# Altium PCB 28 pin project.PcbDoc (part 1 of 2) (continued)
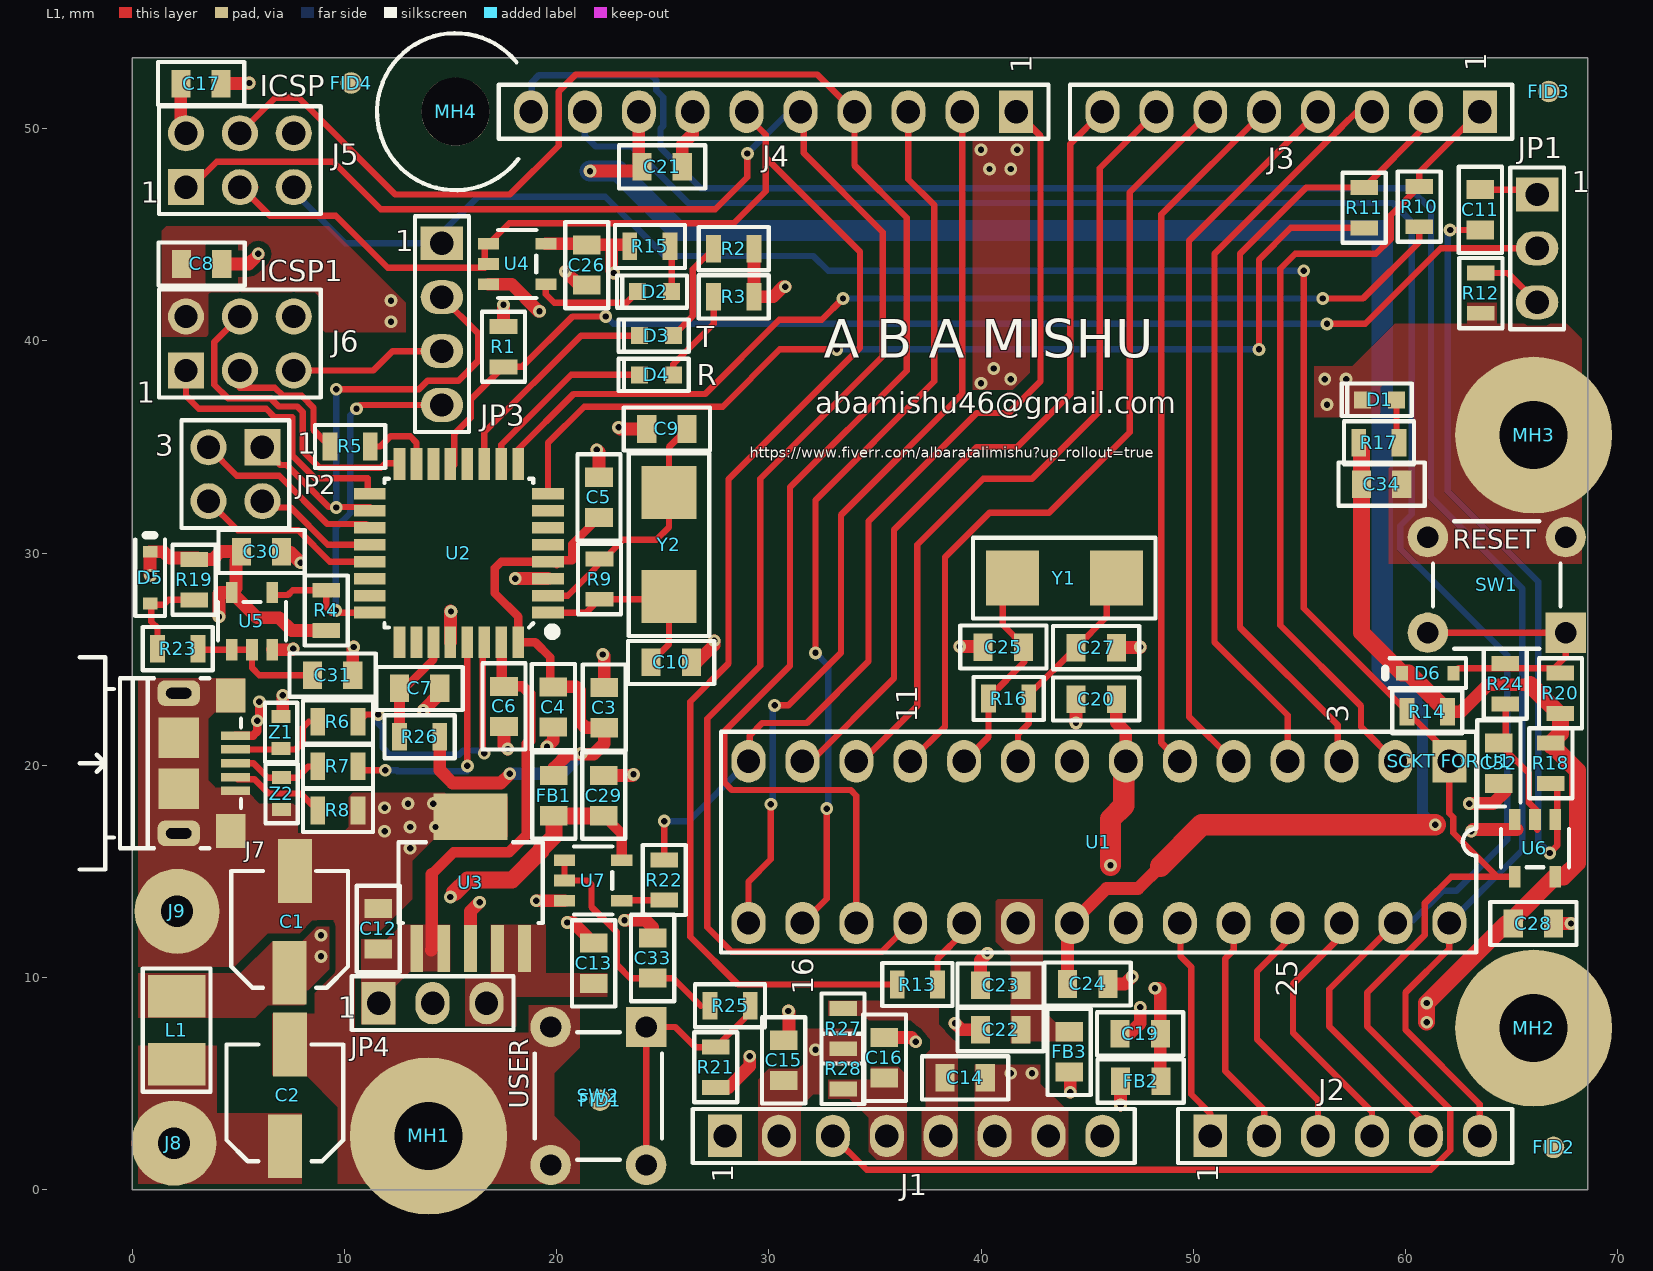
[diagram p0: L1 view]
## Part data (continued)
J5 J6: library part 67997-106HLF, Manufacturer="Amphenol ICC / FCI", Supplier Part Number 1=609-3393-ND, ComponentLink1Description=http://www.farnell.com/datasheets/1876884.pdf?src-supplier=Newark, ComponentLink1URL=http://www.farnell.com/datasheets/1876884.pdf?src-supplier=Newark, ComponentLink2Description=http://www.farnell.com/datasheets/1876884.pdf?src-supplier=Farnell, ComponentLink2URL=http://www.farnell.com/datasheets/1876884.pdf?src-supplier=Farnell, ComponentLink3Description=https://cdn.amphenol-icc.com/media/wysiwyg/files/drawing/67996.pdf?src-supplier=Digi-Key, ComponentLink3URL=https://cdn.amphenol-icc.com/media/wysiwyg/files/drawing/67996.pdf?src-supplier=Digi-Key, ComponentLink4Description=https://cdn.amphenol-icc.com/media/wysiwyg/files/drawing/67996.pdf?src-supplier=Mouser, ComponentLink4URL=https://cdn.amphenol-icc.com/media/wysiwyg/files/drawing/67996.pdf?src-supplier=Mouser, ComponentLink5Description=https://cdn.amphenol-icc.com/media/wysiwyg/files/drawing/67996.pdf?src-supplier=Avnet, ComponentLink5URL=https://cdn.amphenol-icc.com/media/wysiwyg/files/drawing/67996.pdf?src-supplier=Avnet, ComponentLink6Description=http://components.arrow.com/part/dataview/41913658S7633350N8314?src-supplier=Arrow+Electronics, ComponentLink6URL=http://components.arrow.com/part/dataview/41913658S7633350N8314?src-supplier=Arrow+Electronics, ComponentLink7Description=http://components.arrow.com/part/dataview/0323_00898189?src-supplier=Arrow+Europe, ComponentLink7URL=http://components.arrow.com/part/dataview/0323_00898189?src-supplier=Arrow+Europe, ComponentLink8Description=https://cdn.amphenol-icc.com/media/wysiwyg/files/drawing/67996.pdf?src-supplier=Onlinecomponents.com, ComponentLink8URL=https://cdn.amphenol-icc.com/media/wysiwyg/files/drawing/67996.pdf?src-supplier=Onlinecomponents.com, ComponentLink9Description=https://cdn.amphenol-icc.com/media/wysiwyg/files/drawing/67996.pdf?src-supplier=Avnet+Europe, ComponentLink9URL=https://cdn.amphenol-icc.com/media/wysiwyg/files/drawing/67996.pdf?src-supplier=Avnet+Europe, ComponentLink10Description=https://cdn.amphenol-icc.com/media/wysiwyg/files/drawing/67996.pdf?src-supplier=Avnet+Asia, ComponentLink10URL=https://cdn.amphenol-icc.com/media/wysiwyg/files/drawing/67996.pdf?src-supplier=Avnet+Asia, ComponentLink11Description=https://cdn.amphenol-icc.com/media/wysiwyg/files/drawing/67996.pdf?src-supplier=Allied+Electronics, ComponentLink11URL=https://cdn.amphenol-icc.com/media/wysiwyg/files/drawing/67996.pdf?src-supplier=Allied+Electronics, ComponentLink12Description=http://uk.rs-online.com/webdocs/1450/0900766b81450b8b.pdf?src-supplier=RSComponents, ComponentLink12URL=http://uk.rs-online.com/webdocs/1450/0900766b81450b8b.pdf?src-supplier=RSComponents, ComponentLink13Description=https://cdn.amphenol-icc.com/media/wysiwyg/files/drawing/67996.pdf?src-supplier=TTI, ComponentLink13URL=https://cdn.amphenol-icc.com/media/wysiwyg/files/drawing/67996.pdf?src-supplier=TTI, ComponentLink14Description=https://cdn.amphenol-icc.com/media/wysiwyg/files/drawing/67996.pdf?src-supplier=Interstate+Connecting+Components, ComponentLink14URL=https://cdn.amphenol-icc.com/media/wysiwyg/files/drawing/67996.pdf?src-supplier=Interstate+Connecting+Components, ComponentLink15Description=https://cdn.amphenol-icc.com/media/wysiwyg/files/drawing/67996.pdf?src-supplier=Heilind+Electronics, ComponentLink15URL=https://cdn.amphenol-icc.com/media/wysiwyg/files/drawing/67996.pdf?src-supplier=Heilind+Electronics, Manufacturer Part Number=67997-106HLF, Pricing 1="1=1.89, 10=1.712, 100=1.4675, 500=1.2229, 1000=1.0482, 5000=0.9294, 10000=0.9085 (USD)", Stock 1=1169, Supplier 1=Digi-Key
J7: Manufacturer="Amphenol ICC / FCI", Supplier Part Number 1=609-4616-2-ND, ComponentLink1Description=https://cdn.amphenol-icc.com/media/wysiwyg/files/documentation/datasheet/inputoutput/io_usb_micro.pdf?src-supplier=Avnet, ComponentLink1URL=https://cdn.amphenol-icc.com/media/wysiwyg/files/documentation/datasheet/inputoutput/io_usb_micro.pdf?src-supplier=Avnet, ComponentLink2Description=https://cdn.amphenol-icc.com/media/wysiwyg/files/documentation/datasheet/inputoutput/io_usb_micro.pdf?src-supplier=Arrow+Electronics, ComponentLink2URL=https://cdn.amphenol-icc.com/media/wysiwyg/files/documentation/datasheet/inputoutput/io_usb_micro.pdf?src-supplier=Arrow+Electronics, ComponentLink3Description=http://components.arrow.com/part/dataview/0323_04107372?src-supplier=Arrow+Europe, ComponentLink3URL=http://components.arrow.com/part/dataview/0323_04107372?src-supplier=Arrow+Europe, ComponentLink4Description=https://cdn.amphenol-icc.com/media/wysiwyg/files/documentation/datasheet/inputoutput/io_usb_micro.pdf?src-supplier=Onlinecomponents.com, ComponentLink4URL=https://cdn.amphenol-icc.com/media/wysiwyg/files/documentation/datasheet/inputoutput/io_usb_micro.pdf?src-supplier=Onlinecomponents.com, ComponentLink5Description=https://cdn.amphenol-icc.com/media/wysiwyg/files/documentation/datasheet/inputoutput/io_usb_micro.pdf?src-supplier=Verical, ComponentLink5URL=https://cdn.amphenol-icc.com/media/wysiwyg/files/documentation/datasheet/inputoutput/io_usb_micro.pdf?src-supplier=Verical, ComponentLink6Description=http://www.amphenol-icc.com/media/wysiwyg/files/drawing/10118193.pdf?src-supplier=Digi-Key, ComponentLink6URL=http://www.amphenol-icc.com/media/wysiwyg/files/drawing/10118193.pdf?src-supplier=Digi-Key, ComponentLink7Description=https://cdn.amphenol-icc.com/media/wysiwyg/files/documentation/datasheet/inputoutput/io_usb_micro.pdf?src-supplier=Digi-Key, ComponentLink7URL=https://cdn.amphenol-icc.com/media/wysiwyg/files/documentation/datasheet/inputoutput/io_usb_micro.pdf?src-supplier=Digi-Key, ComponentLink8Description=https://cdn.amphenol-icc.com/media/wysiwyg/files/documentation/datasheet/inputoutput/io_usb_micro.pdf?src-supplier=Mouser, ComponentLink8URL=https://cdn.amphenol-icc.com/media/wysiwyg/files/documentation/datasheet/inputoutput/io_usb_micro.pdf?src-supplier=Mouser, ComponentLink9Description=https://cdn.amphenol-icc.com/media/wysiwyg/files/documentation/datasheet/inputoutput/io_usb_micro.pdf?src-supplier=Allied+Electronics, ComponentLink9URL=https://cdn.amphenol-icc.com/media/wysiwyg/files/documentation/datasheet/inputoutput/io_usb_micro.pdf?src-supplier=Allied+Electronics, ComponentLink10Description=http://uk.rs-online.com/webdocs/1450/0900766b814507f1.pdf?src-supplier=RSComponents, ComponentLink10URL=http://uk.rs-online.com/webdocs/1450/0900766b814507f1.pdf?src-supplier=RSComponents, ComponentLink11Description=https://cdn.amphenol-icc.com/media/wysiwyg/files/documentation/datasheet/inputoutput/io_usb_micro.pdf?src-supplier=RSComponents, ComponentLink11URL=https://cdn.amphenol-icc.com/media/wysiwyg/files/documentation/datasheet/inputoutput/io_usb_micro.pdf?src-supplier=RSComponents, ComponentLink12Description=https://cdn.amphenol-icc.com/media/wysiwyg/files/documentation/datasheet/inputoutput/io_usb_micro.pdf?src-supplier=TTI, ComponentLink12URL=https://cdn.amphenol-icc.com/media/wysiwyg/files/documentation/datasheet/inputoutput/io_usb_micro.pdf?src-supplier=TTI, ComponentLink13Description=https://cdn.amphenol-icc.com/media/wysiwyg/files/documentation/datasheet/inputoutput/io_usb_micro.pdf?src-supplier=TME, ComponentLink13URL=https://cdn.amphenol-icc.com/media/wysiwyg/files/documentation/datasheet/inputoutput/io_usb_micro.pdf?src-supplier=TME, ComponentLink14Description=https://cdn.amphenol-icc.com/media/wysiwyg/files/documentation/datasheet/inputoutput/io_usb_micro.pdf?src-supplier=Heilind+Electronics, ComponentLink14URL=https://cdn.amphenol-icc.com/media/wysiwyg/files/documentation/datasheet/inputoutput/io_usb_micro.pdf?src-supplier=Heilind+Electronics, Manufacturer Part Number=10118193-0001LF, Pricing 1="1200=0.2256, 2400=0.2051, 6000=0.1983, 8400=0.1846, 12000=0.1819, 30000=0.1778 (USD)", Stock 1=75600, Supplier 1=Digi-Key
J8 J9: library part PAD_WITH_HOLE_4MMx1.5MM, "Pad with a hole 4MMx1.5MM"
JP1 JP4: library part 68000-103HLF, "AMPHENOL ICC - 68000-103HLF - Board-To-Board Connector, 2.54 mm, 3 Contacts, Header, FCI BergStik II 68000 Series, Through Hole", Manufacturer="Amphenol ICC", Supplier Part Number 1=609-3461-ND, Manufacturer Part Number=68000-103HLF, Pricing 1="1=0.31, 10=0.296, 100=0.2069, 500=0.1773, 1000=0.1478, 5000=0.1267, 10000=0.1182 (USD)", RoHS Compliant=Yes, Stock 1=79043, Supplier 1=Digi-Key
JP2: library part 68602-204HLF, Manufacturer="Amphenol ICC / FCI", Supplier Part Number 1=609-3369-ND, Manufacturer Part Number=68602-204HLF, Pricing 1="1=0.35, 10=0.335, 100=0.2345, 500=0.201 (USD)", Stock 1=578, Supplier 1=Digi-Key
JP3: library part 68001-204HLF, Manufacturer="Amphenol ICC / FCI", Supplier Part Number 1=609-3402-ND, ComponentLink1Description=https://cdn.amphenol-icc.com/media/wysiwyg/files/drawing/68000.pdf?src-supplier=Digi-Key, ComponentLink1URL=https://cdn.amphenol-icc.com/media/wysiwyg/files/drawing/68000.pdf?src-supplier=Digi-Key, ComponentLink2Description=https://cdn.amphenol-icc.com/media/wysiwyg/files/drawing/68000.pdf?src-supplier=Mouser, ComponentLink2URL=https://cdn.amphenol-icc.com/media/wysiwyg/files/drawing/68000.pdf?src-supplier=Mouser, ComponentLink3Description=https://cdn.amphenol-icc.com/media/wysiwyg/files/drawing/68000.pdf?src-supplier=Avnet, ComponentLink3URL=https://cdn.amphenol-icc.com/media/wysiwyg/files/drawing/68000.pdf?src-supplier=Avnet, ComponentLink4Description=http://components.arrow.com/part/dataview/42735081S8853857N8314?src-supplier=Arrow+Electronics, ComponentLink4URL=http://components.arrow.com/part/dataview/42735081S8853857N8314?src-supplier=Arrow+Electronics, ComponentLink5Description=https://cdn.amphenol-icc.com/media/wysiwyg/files/drawing/68000.pdf?src-supplier=Avnet+Europe, ComponentLink5URL=https://cdn.amphenol-icc.com/media/wysiwyg/files/drawing/68000.pdf?src-supplier=Avnet+Europe, ComponentLink6Description=https://cdn.amphenol-icc.com/media/wysiwyg/files/drawing/68000.pdf?src-supplier=Allied+Electronics, ComponentLink6URL=https://cdn.amphenol-icc.com/media/wysiwyg/files/drawing/68000.pdf?src-supplier=Allied+Electronics, ComponentLink7Description=http://uk.rs-online.com/webdocs/1450/0900766b81450c68.pdf?src-supplier=RSComponents, ComponentLink7URL=http://uk.rs-online.com/webdocs/1450/0900766b81450c68.pdf?src-supplier=RSComponents, ComponentLink8Description=https://cdn.amphenol-icc.com/media/wysiwyg/files/drawing/68000.pdf?src-supplier=TTI, ComponentLink8URL=https://cdn.amphenol-icc.com/media/wysiwyg/files/drawing/68000.pdf?src-supplier=TTI, ComponentLink9Description=https://cdn.amphenol-icc.com/media/wysiwyg/files/drawing/68000.pdf?src-supplier=Heilind+Electronics, ComponentLink9URL=https://cdn.amphenol-icc.com/media/wysiwyg/files/drawing/68000.pdf?src-supplier=Heilind+Electronics, Manufacturer Part Number=68001-204HLF, Pricing 1="1=0.4, 10=0.379, 100=0.2653, 500=0.2274, 1000=0.1895, 5000=0.1624, 10000=0.1516 (USD)", Stock 1=1837, Supplier 1=Digi-Key
L1: library part L1210R2R2MDWIT, "FIXED IND 2.2UH 2A 80 MOHM SMD", Case/Package=1210, Case Code (Metric)=3225, Current Rating=2A, DC Current=1.13A, DC Resistance (DCR)=80mR, Inductance=2.2uH, Inductance Tolerance=20%, Manufacturer=KEMET, Max Operating Temperature=105°C, Min Operating Temperature=-40°C, Package Quantity=1000, Resistor Type=Wirewound,Ceramic, Self Resonant Frequency=190MHz, Supplier Part Number 1=399-9598-6-ND, Test Frequency=100kHz, Case Code (Imperial)=1210, ComponentLink1Description=http://www.farnell.com/datasheets/27262.pdf?src-supplier=Element14, ComponentLink1URL=http://www.farnell.com/datasheets/27262.pdf?src-supplier=Element14, ComponentLink2Description=https://api.kemet.com/component-edge/download/datasheet/L1210R2R2MDWIT.pdf?src-supplier=Digi-Key, ComponentLink2URL=https://api.kemet.com/component-edge/download/datasheet/L1210R2R2MDWIT.pdf?src-supplier=Digi-Key, ComponentLink3Description=https://content.kemet.com/datasheets/F3115.pdf?src-supplier=Mouser, ComponentLink3URL=https://content.kemet.com/datasheets/F3115.pdf?src-supplier=Mouser, ComponentLink4Description=http://www.kemet.com/Lists/ProductCatalog/Attachments/57/F3115.pdf?src-supplier=Avnet, ComponentLink4URL=http://www.kemet.com/Lists/ProductCatalog/Attachments/57/F3115.pdf?src-supplier=Avnet, ComponentLink5Description=https://content.kemet.com/datasheets/F3115.pdf?src-supplier=Avnet+Europe, ComponentLink5URL=https://content.kemet.com/datasheets/F3115.pdf?src-supplier=Avnet+Europe, Core Material=Ferrite, Depth=2.7mm, Height=2.5mm, Height - Seated (Max)=0.106inch, Length=0.126inch, Manufacturer Part Number=L1210R2R2MDWIT, Max DC Current=2A, Military Standard=Not, Mount="Surface Mount", Packaging="Tape and Reel", Pricing 1="1=0.5, 10=0.437, 25=0.406, 50=0.3436, 100=0.3124, 250=0.2936, 500=0.2624 (USD)", Radiation Hardening=No, REACH SVHC="No SVHC", RoHS Compliant=Yes, Series=L-DWI, Shielding=Unshielded, Stock 1=10603, Supplier 1=Digi-Key, Termination=SMD/SMT, Tolerance=20%, Width=0.098inch
MH1 MH2 MH3: "Mounting hole 7.4mm Diameter,3.2mm drill"
MH4: "Mounting Hole 7.4mm Diameter (non copper) ,3.2mm drill NPTH"
R1: library part RC0805FR-07100KL, "YAGEO         RC0805FR-07100KL            RES, THICK FILM, 100K, 1%, 0.125W, 0805, REEL", Case/Package=0805, Case Code (Metric)=2012, Manufacturer=Yageo, Max Operating Temperature=155°C, Max Power Dissipation=125mW, Min Operating Temperature=-55°C, Package Quantity=1, Resistance=100kR, Resistance Tolerance=1%, Resistor Type="Thick Film", Supplier Part Number 1=311-100KCRTR-ND, Temperature Coefficient=100ppm/°C, Voltage Rating=150V, Case Code (Imperial)=0805, ComponentLink1Description=http://www.farnell.com/datasheets/1686128.pdf?src-supplier=Element14, ComponentLink1URL=http://www.farnell.com/datasheets/1686128.pdf?src-supplier=Element14, ComponentLink2Description=http://www.farnell.com/datasheets/38627.pdf?src-supplier=Element14, ComponentLink2URL=http://www.farnell.com/datasheets/38627.pdf?src-supplier=Element14, ComponentLink3Description=http://www.farnell.com/datasheets/444164.pdf?src-supplier=Element14, ComponentLink3URL=http://www.farnell.com/datasheets/444164.pdf?src-supplier=Element14, ComponentLink4Description=http://www.yageo.com/documents/recent/PYu-RC_Group_51_RoHS_L_10.pdf?src-supplier=Digi-Key, ComponentLink4URL=http://www.yageo.com/documents/recent/PYu-RC_Group_51_RoHS_L_10.pdf?src-supplier=Digi-Key, ComponentLink5Description=http://www.yageo.com/documents/recent/PYu-RC_Group_51_RoHS_L_9.pdf?src-supplier=Mouser, ComponentLink5URL=http://www.yageo.com/documents/recent/PYu-RC_Group_51_RoHS_L_9.pdf?src-supplier=Mouser, ComponentLink6Description=http://documents.rs-components.com/techlib://itc_doclist_GB.htm?stockno=6185113&src-supplier=RSComponents, ComponentLink6URL=http://documents.rs-components.com/techlib://itc_doclist_GB.htm?stockno=6185113&src-supplier=RSComponents, ComponentLink7Description=http://www.farnell.com/datasheets/2167052.pdf?src-supplier=Element14, ComponentLink7URL=http://www.farnell.com/datasheets/2167052.pdf?src-supplier=Element14, ComponentLink8Description=http://www.yageo.ru/pdf/RC0805.pdf?src-supplier=Future+Electronics, ComponentLink8URL=http://www.yageo.ru/pdf/RC0805.pdf?src-supplier=Future+Electronics, Construction=Rectangular, Depth=1.25mm, Features="Moisture Resistant", Height=0.024inch, Lead Free="Lead Free", Lead Pitch=0.4mm, Length=2mm, Manufacturer Part Number=RC0805FR-07100KL, Military Standard=Not, Number of Pins=2, Number of Terminations=2, Packaging="Tape and Reel", Power Rating=125mW, Pricing 1="5000=0.0054 (USD)", REACH SVHC=Unknown, RoHS Compliant=Yes, Series=RC, Size Code=0805, Stock 1=58726, Supplier 1=Digi-Key, Technology="THICK FILM", Termination=SMD/SMT, Tolerance=1%, Voltage Rating (DC)=150V, Width=0.049inch
R2 R3 R15 R17 R22: library part RC0805FR-07560RL, "Surface Mount Thick Film Resistor, RC Series, 560 ohm, 125 mW, - 1%, 150 V, 0805 [2012 Metric]", Case/Package=0805, Case Code (Metric)=2012, Manufacturer=Yageo, Max Operating Temperature=155°C, Max Power Dissipation=125mW, Min Operating Temperature=-55°C, Package Quantity=1, Resistance Tolerance=1%, Resistor Type="Thick Film", Supplier Part Number 1=311-560CRTR-ND, Temperature Coefficient=100ppm/°C, Voltage Rating=150V, Case Code (Imperial)=0805, ComponentLink1Description=http://www.yageo.com/documents/recent/PYu-RC_Group_51_RoHS_L_10.pdf?src-supplier=Digi-Key, ComponentLink1URL=http://www.yageo.com/documents/recent/PYu-RC_Group_51_RoHS_L_10.pdf?src-supplier=Digi-Key, ComponentLink2Description=http://www.yageo.com/documents/recent/PYu-RC_Group_51_RoHS_L_9.pdf?src-supplier=Mouser, ComponentLink2URL=http://www.yageo.com/documents/recent/PYu-RC_Group_51_RoHS_L_9.pdf?src-supplier=Mouser, ComponentLink3Description=http://www.farnell.com/datasheets/2167052.pdf?src-supplier=Element14, ComponentLink3URL=http://www.farnell.com/datasheets/2167052.pdf?src-supplier=Element14, Construction=Rectangular, Depth=1.25mm, Features="Moisture Resistant", Height=0.024inch, Lead Free="Lead Free", Length=2mm, Manufacturer Part Number=RC0805FR-07560RL, Military Standard=Not, Number of Terminations=2, Packaging="Tape and Reel", Power Rating=125mW, Pricing 1="5000=0.0054 (USD)", REACH SVHC=Unknown, Resistance=560R, RoHS Compliant=Yes, Series=RC, Size Code=0805, Stock 1=0, Supplier 1=Digi-Key, Termination=SMD/SMT, Tolerance=1%, Weight=0.000194oz, Width=0.049inch
R4 R14 R18 R19 R20 R21: library part RC0805FR-0710KL, "RES SMD 10K OHM 1% 1/8W 0805", Case/Package=0805, Case Code (Metric)=2012, Manufacturer=Yageo, Max Operating Temperature=155°C, Max Power Dissipation=125mW, Min Operating Temperature=-55°C, Package Quantity=1, Resistance=10kR, Resistance Tolerance=1%, Resistor Type="Thick Film", Supplier Part Number 1=311-10.0KCRDKR-ND, Temperature Coefficient=100ppm/°C, Voltage Rating=150V, Case Code (Imperial)=0805, ComponentLink1Description=http://www.farnell.com/datasheets/2167052.pdf?src-supplier=Element14, ComponentLink1URL=http://www.farnell.com/datasheets/2167052.pdf?src-supplier=Element14, ComponentLink2Description=http://www.yageo.com/documents/recent/PYu-RC_Group_51_RoHS_L_10.pdf?src-supplier=Digi-Key, ComponentLink2URL=http://www.yageo.com/documents/recent/PYu-RC_Group_51_RoHS_L_10.pdf?src-supplier=Digi-Key, ComponentLink3Description=http://www.yageo.com/documents/recent/PYu-RC_Group_51_RoHS_L_9.pdf?src-supplier=Mouser, ComponentLink3URL=http://www.yageo.com/documents/recent/PYu-RC_Group_51_RoHS_L_9.pdf?src-supplier=Mouser, ComponentLink4Description=http://www.yageo.ru/pdf/RC0805.pdf?src-supplier=Future+Electronics, ComponentLink4URL=http://www.yageo.ru/pdf/RC0805.pdf?src-supplier=Future+Electronics, Construction=Rectangular, Depth=1.25mm, Features="Moisture Resistant", Height=0.024inch, Lead Free="Lead Free", Length=2mm, Manufacturer Part Number=RC0805FR-0710KL, Military Standard=Not, Number of Terminations=2, Packaging="Tape and Reel", Power Rating=125mW, Pricing 1="1=0.1, 10=0.042, 100=0.0169, 1000=0.0076, 2500=0.0066 (USD)", REACH SVHC=Unknown, RoHS Compliant=Yes, Series=RC, Size Code=0805, Stock 1=10219250, Supplier 1=Digi-Key, Technology="THICK FILM", Termination=SMD/SMT, Tolerance=1%, Width=0.049inch
R5 R6 R7 R13 R23 R24 R25: library part RC0805FR-0722RL, "RES SMD 22 OHM 1% 1/8W 0805", Case/Package=0805, Case Code (Metric)=2012, Manufacturer=Yageo, Max Operating Temperature=155°C, Max Power Dissipation=125mW, Min Operating Temperature=-55°C, Package Quantity=1, Resistance Tolerance=1%, Resistor Type="Thick Film", Supplier Part Number 1=311-22.0CRDKR-ND, Temperature Coefficient=100ppm/°C, Voltage Rating=150V, Case Code (Imperial)=0805, ComponentLink1Description=http://www.farnell.com/datasheets/444164.pdf?src-supplier=Element14, ComponentLink1URL=http://www.farnell.com/datasheets/444164.pdf?src-supplier=Element14, ComponentLink2Description=http://www.yageo.com/documents/recent/PYu-RC_Group_51_RoHS_L_10.pdf?src-supplier=Digi-Key, ComponentLink2URL=http://www.yageo.com/documents/recent/PYu-RC_Group_51_RoHS_L_10.pdf?src-supplier=Digi-Key, ComponentLink3Description=http://www.yageo.com/documents/recent/PYu-RC_Group_51_RoHS_L_9.pdf?src-supplier=Mouser, ComponentLink3URL=http://www.yageo.com/documents/recent/PYu-RC_Group_51_RoHS_L_9.pdf?src-supplier=Mouser, Construction=Rectangular, Depth=1.25mm, Features="Moisture Resistant", Height=0.024inch, Lead Free="Lead Free", Length=0.079inch, Manufacturer Part Number=RC0805FR-0722RL, Military Standard=Not, Number of Terminations=2, Packaging="Tape and Reel", Power Rating=125mW, Pricing 1="1=0.1, 10=0.042, 100=0.0169, 1000=0.0076, 2500=0.0066 (USD)", REACH SVHC=Unknown, Resistance=22R, RoHS Compliant=Yes, Series=RC, Stock 1=0, Supplier 1=Digi-Key, Technology="THICK FILM", Termination=SMD/SMT, Tolerance=1%, Width=0.049inch, Working Voltage=150V
R8 R26 R27 R28: library part RC0805JR-070RL, "Surface Mount Thick Film Resistor, RC Series, 125 mW, - 5%, 150 V, 0805 [2012 Metric]", Case/Package=0805, Case Code (Metric)=2012, Manufacturer=Yageo, Max Operating Temperature=155°C, Max Power Dissipation=125mW, Min Operating Temperature=-55°C, Resistance=0mR, Resistance Tolerance=5%, Resistor Type="Thick Film", Supplier Part Number 1=311-0.0ARDKR-ND, Temperature Coefficient=200ppm/°C, Voltage Rating=150V, Case Code (Imperial)=0805, ComponentLink1Description=http://www.farnell.com/datasheets/2167052.pdf?src-supplier=Element14, ComponentLink1URL=http://www.farnell.com/datasheets/2167052.pdf?src-supplier=Element14, ComponentLink2Description=http://documents.rs-components.com/techlib://itc_doclist_GB.htm?stockno=6185129&src-supplier=RSComponents, ComponentLink2URL=http://documents.rs-components.com/techlib://itc_doclist_GB.htm?stockno=6185129&src-supplier=RSComponents, ComponentLink3Description=https://www.verical.com/server-webapp/html/getDatasheet?partID=330685&src-supplier=Verical, ComponentLink3URL=https://www.verical.com/server-webapp/html/getDatasheet?partID=330685&src-supplier=Verical, Construction=Rectangular, Contact Plating=Tin,Matte, Depth=1.25mm, Features="Moisture Resistant", Height=0.5mm, Lead Free="Lead Free", Length=2mm, Manufacturer Part Number=RC0805JR-070RL, Military Standard=Not, Number of Pins=2, Number of Terminations=2, Packaging="Tape and Reel", Power Rating=125mW, Pricing 1="1=0.1, 10=0.031, 25=0.0224, 50=0.0172, 100=0.0126, 250=0.0096, 500=0.0077, 1000=0.0057 (USD)", Radiation Hardening=No, REACH SVHC=Unknown, RoHS Compliant=Yes, Series=RC, Size Code=0805, Stock 1=1366008, Supplier 1=Digi-Key, Technology="THICK FILM", Termination=SMD/SMT, Tolerance=5%, Voltage Rating (DC)=150V, Width=1.25mm
R9 R16: library part RC0805FR-071ML, "Res Thick Film 0805 1M Ohm 1% 0.125W(1/8W) ±100ppm/C Epoxy SMD T/R", Case/Package=0805, Manufacturer="Yageo Phycomp", Max Operating Temperature=155°C, Min Operating Temperature=-55°C, Power Rating=125mW, Resistance=1MR, Supplier Part Number 1=311-1.00MCRCT-ND, Temperature Coefficient=100ppm/°C, Tolerance=1%, Voltage Rating (DC)=150V, Depth=1.25mm, Height=0.5mm, Lead Free="Lead Free", Length=2mm, Manufacturer Part Number=RC0805FR-071ML, Mount="Surface Mount", Number of Pins=2, Packaging="Cut Tape", Pricing 1="1=0.1, 10=0.042, 100=0.0169, 1000=0.0076, 2500=0.0066 (USD)", REACH SVHC="No SVHC", Stock 1=1822209, Supplier 1=Digi-Key, Width=1.25mm
R10 R11 R12: library part RC0805FR-071KL, "RESISTOR, 0805 1K 1%, FULL REEL; Product Range:YAGEO - RC Series; Resistance:1kohm; Power Rating:125mW; Resistance Tolerance:± 1%; Resistor Case Style:0805 [2012 Metric]; Resistor Element Material:Thick Film; Temperature Coefficient:± 250ppm/°C; Voltage Rating:150V; Packaging:Tape & Reel; MSL:-; SVHC:No SVHC (16-Dec-2013); External Depth:0.55mm; External Length / Height:2mm; External Width:1.25mm; No. of Pins:2; Operating Temperature Max:155°C; Operating Temperature Min:-55°C; Operating Temperature Range:-55°C to +155°C; Reel Quantity:5000; Resistor Mounting:SMD; Series:RC12H; Temperature Coef", Case/Package=0805, Case Code (Metric)=2012, Manufacturer=Yageo, Max Operating Temperature=155°C, Max Power Dissipation=125mW, Min Operating Temperature=-55°C, Package Quantity=1, Resistance=1kR, Resistance Tolerance=1%, Resistor Type="Thick Film", Supplier Part Number 1=311-1.00KCRTR-ND, Temperature Coefficient=100ppm/°C, Voltage Rating=150V, Case Code (Imperial)=0805, ComponentLink1Description=http://www.farnell.com/datasheets/1686128.pdf?src-supplier=Element14, ComponentLink1URL=http://www.farnell.com/datasheets/1686128.pdf?src-supplier=Element14, ComponentLink2Description=http://www.farnell.com/datasheets/2167052.pdf?src-supplier=Element14, ComponentLink2URL=http://www.farnell.com/datasheets/2167052.pdf?src-supplier=Element14, ComponentLink3Description=http://www.yageo.com/documents/recent/PYu-RC_Group_51_RoHS_L_10.pdf?src-supplier=Digi-Key, ComponentLink3URL=http://www.yageo.com/documents/recent/PYu-RC_Group_51_RoHS_L_10.pdf?src-supplier=Digi-Key, ComponentLink4Description=http://www.yageo.ru/pdf/RC0805.pdf?src-supplier=Future+Electronics, ComponentLink4URL=http://www.yageo.ru/pdf/RC0805.pdf?src-supplier=Future+Electronics, Construction=Rectangular, Depth=1.25mm, Features="Moisture Resistant", Height=0.024inch, Lead Free="Lead Free", Length=0.079inch, Manufacturer Part Number=RC0805FR-071KL, Military Standard=Not, Number of Pins=2, Number of Terminations=2, Packaging="Tape and Reel", Power Rating=125mW, Pricing 1="5000=0.0054 (USD)", REACH SVHC=Unknown, RoHS Compliant=Yes, Series=RC, Size Code=0805, Stock 1=11338405, Supplier 1=Digi-Key, Termination=SMD/SMT, Tolerance=1%, Voltage Rating (DC)=150V, Width=0.049inch
"SCKT FOR U1": library part 4828-3004-CP, "CONN IC DIP SOCKET 28POS TIN", Current Rating=1A, Insulation Resistance=5GR, Manufacturer=3M, Max Operating Temperature=85°C, Min Operating Temperature=-25°C, Package Quantity=5600, Supplier Part Number 1=3M5480-ND, ComponentLink1Description=http://multimedia.3m.com/mws/media/218496O/3mtm-dip-socket-4800-series-ts1099.pdf?src-supplier=Digi-Key, ComponentLink1URL=http://multimedia.3m.com/mws/media/218496O/3mtm-dip-socket-4800-series-ts1099.pdf?src-supplier=Digi-Key, Connector Type=DIP, Contact Material=Bronze, Contact Plating=Tin, Depth=10.16mm, Gender=Female, Housing Material=Glass, Insulation Material=Polyester, Lead Free="Lead Free", Length=35.43mm, Manufacturer Part Number=4828-3004-CP, Mount="Through Hole", Number of Contacts=28, Number of Positions=28, Number of Rows=2, Orientation=Straight, Pitch=2.54mm, Pricing 1="1=0.84, 10=0.735, 25=0.692, 50=0.6632, 100=0.6344, 250=0.5767, 500=0.519, 1000=0.4614, 2500=0.4181 (USD)", REACH SVHC=Unknown, Row Spacing=7.62mm, Series=4800, Stock 1=0, Supplier 1=Digi-Key, Termination=Solder, Width=10.16mm
SW1 SW2: "TE CONNECTIVITY / ALCOSWITCH - FSM4JH - SWITCH, SPNO, 0.05A", Actuator Color=Black, Contact Current Rating=50mA, Contact Resistance=100mR, Insulation Resistance=100MR, Manufacturer="TE Connectivity", Max Operating Temperature=85°C, Max Voltage Rating (DC)=12V, Min Operating Temperature=-35°C, Operating Force=160gf, Package Quantity=750, Supplier Part Number 1=450-1650-ND, Actuator Length=1.4mm, Actuator Material=Resin,Polyacetal, Actuator Type=Standard, ComponentLink1Description=http://www.farnell.com/datasheets/921681.pdf?src-supplier=Element14, ComponentLink1URL=http://www.farnell.com/datasheets/921681.pdf?src-supplier=Element14, ComponentLink2Description=https://www.alliedelec.com/m/d/eaa16fe89a3a8acf140f751379b52364.pdf?src-supplier=Allied+Electronics, ComponentLink2URL=https://www.alliedelec.com/m/d/eaa16fe89a3a8acf140f751379b52364.pdf?src-supplier=Allied+Electronics, Contact Material="Copper Alloy", Contact Plating=Silver, Current Rating=50mA, Electrical Life=100000Cycles, ELV=Compliant, Illumination Type=Non-Illuminated,Illuminated, Manufacturer Part Number=FSM4JH, Material=Nylon, Mechanical Life=100000Cycles, Mount="Through Hole", Orientation=Straight, Packaging="Loose Piece", Pricing 1="1=0.1, 10=0.101, 25=0.0956, 100=0.087, 250=0.0818, 500=0.0748, 1000=0.0627, 2500=0.0609, 5000=0.0574 (USD)", REACH SVHC=Unknown, RoHS Compliant=Yes, Series=FSMJ, Stock 1=61927, Supplier 1=Digi-Key, Switch Function=Off-Mom, Switch Travel=0.25mm, Termination="PC Pin", Throw Configuration=SPST,DPST, Type=Switch, Voltage Rating (DC)=12V
U1: "ATMEGA328P-PU; 8 bit Microcontroller AVR 20MHz 1; 32kb Flash; 2kb RAM; I2C SPI 2", Case/Package=PDIP, Frequency=20MHz, Manufacturer="Microchip / Atmel", Max Operating Temperature=85°C, Max Supply Voltage=5.5V, Min Operating Temperature=-40°C, Min Supply Voltage=1.8V, Package Quantity=14, Supplier Part Number 1=ATMEGA328P-PU-ND, ComponentLink1Description=http://www.farnell.com/datasheets/2047852.pdf?src-supplier=Element14, ComponentLink1URL=http://www.farnell.com/datasheets/2047852.pdf?src-supplier=Element14, ComponentLink2Description=http://www.microchip.com/mymicrochip/filehandler.aspx?ddocname=en589968&src-supplier=Jameco, ComponentLink2URL=http://www.microchip.com/mymicrochip/filehandler.aspx?ddocname=en589968&src-supplier=Jameco, ComponentLink3Description=http://www.rapidonline.com/pdf/73-4283.pdf?src-supplier=Rapid+Electronics, ComponentLink3URL=http://www.rapidonline.com/pdf/73-4283.pdf?src-supplier=Rapid+Electronics, ComponentLink4Description=http://www.microchip.com/mymicrochip/filehandler.aspx?ddocname=en589968&src-supplier=Verical, ComponentLink4URL=http://www.microchip.com/mymicrochip/filehandler.aspx?ddocname=en589968&src-supplier=Verical, ComponentLink5Description=http://www.produktinfo.conrad.com/datenblaetter/150000-174999/155197-da-01-en-MICROCONTR_ATMEGA328P_PU_8BIT_PDIP_28.pdf?src-supplier=Conrad, ComponentLink5URL=http://www.produktinfo.conrad.com/datenblaetter/150000-174999/155197-da-01-en-MICROCONTR_ATMEGA328P_PU_8BIT_PDIP_28.pdf?src-supplier=Conrad, ComponentLink6Description=http://datasheet.iiic.cc/atmel/ATMEGA328P-PU.pdf?src-supplier=IIIC, ComponentLink6URL=http://datasheet.iiic.cc/atmel/ATMEGA328P-PU.pdf?src-supplier=IIIC, Contact Plating=Tin,Matte, Core Architecture=AVR, Data Bus Width=8b, Height=3.28mm, Interface=I2C,SPI,UART,USART,2-Wire, Lead Free="Lead Free", Length=37.4mm, Manufacturer Part Number=ATMEGA328P-PU, Max Frequency=20MHz, Memory Size=32KB, Memory Type=FLASH, Mount="Through Hole", Number of ADC Channels=6, Number of I2C Channels=1, Number of I/Os=23, Number of Pins=28, Number of Programmable I/O=23, Number of PWM Channels=6, Number of SPI Channels=1, Number of Timers/Counters=3, Oscillator Type=Internal, Packaging=Rail/Tube, Peripherals="Brown-out Detect/Reset,POR,PWM,WDT", Pricing 1="1=2.52, 25=2.31, 100=2.09 (USD)", Radiation Hardening=No, RAM Size=2KB, REACH SVHC="No SVHC", RoHS Compliant=Yes, Series="AVR® ATmega", Stock 1=9235, Supplier 1=Digi-Key, Watchdog Timer=Yes, Width=6.76mm
U2: "MICROCHIP - ATMEGA16U2-AU - MCU, 8BIT, MEGAAVR, 16MHZ, TQFP-32", Case/Package=A, Frequency=16MHz, Manufacturer="Microchip / Atmel", Max Operating Temperature=85°C, Max Supply Voltage=5.5V, Min Operating Temperature=-40°C, Min Supply Voltage=2.7V, Package Quantity=1250, Supplier Part Number 1=ATMEGA16U2-AU-ND, ComponentLink1Description=http://www.atmel.com/dyn/resources/prod_documents/doc7799.pdf?src-supplier=Farnell, ComponentLink1URL=http://www.atmel.com/dyn/resources/prod_documents/doc7799.pdf?src-supplier=Farnell, ComponentLink2Description=http://www.microchip.com/mymicrochip/filehandler.aspx?ddocname=en590463&src-supplier=Mouser, ComponentLink2URL=http://www.microchip.com/mymicrochip/filehandler.aspx?ddocname=en590463&src-supplier=Mouser, Contact Plating=Tin,Matte, Core Architecture=AVR, Data Bus Width=8b, Height=1.05mm, Interface=SPI,UART,USB,USART,Serial, Lead Free="Lead Free", Length=7mm, Manufacturer Part Number=ATMEGA16U2-AU, Max Frequency=16MHz, Memory Size=16KB, Memory Type=FLASH, Mount="Surface Mount", Number of I/Os=22, Number of Pins=32, Number of Programmable I/O=22, Number of PWM Channels=5, Number of SPI Channels=1, Number of Timers/Counters=2, Oscillator Type=Internal, Packaging=Tray, Peripherals="Brown-out Detect/Reset,POR,PWM,WDT", Pricing 1="1=2.83, 25=2.596, 100=2.354 (USD)", RAM Size=512B, REACH SVHC="No SVHC", RoHS Compliant=Yes, Series="AVR® ATmega", Stock 1=5877, Supplier 1=Digi-Key, Watchdog Timer=Yes, Width=7mm
U3: "IC REG LINEAR 3.3V 1.5A SOT223-6", Case/Package=SOT-223, Dropout Voltage=340mV, Input Bias Current=1mA, Manufacturer="Texas Instruments", Max Input Voltage=20V, Max Operating Temperature=125°C, Max Output Current=1.5A, Max Output Voltage=3.3V, Min Current Limit=1.6A, Min Input Voltage=2.1V, Min Operating Temperature=-40°C, Package Quantity=1, Supplier Part Number 1=296-24534-6-ND, Accuracy=3%, ComponentLink1Description=http://www.ti.com/lit/ds/symlink/tl1963a.pdf?src-supplier=Digi-Key, ComponentLink1URL=http://www.ti.com/lit/ds/symlink/tl1963a.pdf?src-supplier=Digi-Key, ComponentLink2Description=http://www.ti.com/lit/ds/symlink/tl1963a.pdf?src-supplier=Avnet+Europe, ComponentLink2URL=http://www.ti.com/lit/ds/symlink/tl1963a.pdf?src-supplier=Avnet+Europe, Contact Plating=Gold, Lead Free="Lead Free", Manufacturer Part Number=TL1963A-33DCQR, Min Output Voltage=3.3V, Number of Outputs=1, Number of Pins=6, Number of Regulators=1, Output Current=1.5A, Output Type=Fixed, Output Voltage=3.3V, Packaging="Tape and Reel", Polarity=Positive, Pricing 1="1=2.97, 10=2.664, 25=2.5184, 100=2.1828, 250=2.0708, 500=1.8581, 1000=1.7635 (USD)", Quiescent Current=1mA, Radiation Hardening=No, RoHS Compliant=Yes, Series=-, Stock 1=1619, Supplier 1=Digi-Key
U4 U5 U6 U7: "TEXAS INSTRUMENTS - SN74AHC1G09DBVR - AND Gate, 74AHC1G09, 2 Input, 2 V to 5.5 V, SOT-23-5", Case/Package=SOT-23, Low Level Output Current=8mA, Manufacturer="Texas Instruments", Max Operating Temperature=125°C, Max Supply Voltage=5.5V, Min Operating Temperature=-55°C, Min Supply Voltage=2V, Output Current=25mA, Package Quantity=3000, Quiescent Current=1uA, Supplier Part Number 1=296-29202-2-ND, ComponentLink1Description=http://www.ti.com/lit/ds/symlink/sn74ahc1g09.pdf?src-supplier=Digi-Key, ComponentLink1URL=http://www.ti.com/lit/ds/symlink/sn74ahc1g09.pdf?src-supplier=Digi-Key, Contact Plating=Tin,Matte, Lead Free="Lead Free", Logic Function="AND GATE", Manufacturer Part Number=SN74AHC1G09DBVR, Mount="Surface Mount", Number of Bits=1, Number of Circuits=1, Number of Elements=1, Number of Gates=1, Number of Inputs=2, Number of Outputs=1, Number of Pins=5, Output Voltage=5.5V, Packaging="Tape and Reel", Pricing 1="3000=0.0678, 6000=0.0611, 12000=0.0543, 24000=0.0534 (USD)", Propagation Delay=7.5ns, Radiation Hardening=No, REACH SVHC="No SVHC", RoHS Compliant=Yes, Series=74AHC, Stock 1=6000, Supplier 1=Digi-Key, Technology=CMOS
Y1 Y2: "CRYSTAL 16.0000MHZ 18PF SMD", Case/Package=CSMD, ESR (Equivalent Series Resistance)=50R, Frequency=16MHz, Frequency Stability=30ppm, Frequency Tolerance=20ppm, Load Capacitance=18pF, Manufacturer=Abracon, Max Operating Temperature=85°C, Min Operating Temperature=-40°C, Operating Frequency="16 MHz", Package Quantity=1000, Resistor Type=Ceramic, Supplier Part Number 1=535-9840-6-ND, ComponentLink1Description=http://www.abracon.com/Resonators/abm7.pdf?src-supplier=Farnell, ComponentLink1URL=http://www.abracon.com/Resonators/abm7.pdf?src-supplier=Farnell, ComponentLink2Description=http://www.farnell.com/datasheets/947971.pdf?src-supplier=Element14, ComponentLink2URL=http://www.farnell.com/datasheets/947971.pdf?src-supplier=Element14, ComponentLink3Description=https://abracon.com/Resonators/abm7.pdf?src-supplier=Digi-Key, ComponentLink3URL=https://abracon.com/Resonators/abm7.pdf?src-supplier=Digi-Key, ComponentLink4Description=https://www.verical.com/server-webapp/html/getDatasheet?partID=721624&src-supplier=Verical, ComponentLink4URL=https://www.verical.com/server-webapp/html/getDatasheet?partID=721624&src-supplier=Verical, ComponentLink5Description=http://www.abracon.com/Resonators/abm7.pdf?src-supplier=Future+Electronics, ComponentLink5URL=http://www.abracon.com/Resonators/abm7.pdf?src-supplier=Future+Electronics, ComponentLink6Description=http://www.abracon.com/Support/PackageDrawing/Resonators/ABM7.PDF?src-supplier=Verical, ComponentLink6URL=http://www.abracon.com/Support/PackageDrawing/Resonators/ABM7.PDF?src-supplier=Verical, Depth=3.5mm, Height=0.055inch, Lead Free="Lead Free", Length=6mm, Manufacturer Part Number=ABM7-16.000MHZ-D2Y-T, Mount="Surface Mount", Number of Pins=2, Packaging="Tape and Reel", Pricing 1="1=0.87, 10=0.773, 50=0.7224, 100=0.6384, 500=0.6048 (USD)", Radiation Hardening=No, REACH SVHC=Unknown, Series=ABM7, Stock 1=9983, Supplier 1=Digi-Key, Termination=SMD/SMT, Tolerance=20ppm, Width=3.3mm
Z1 Z2: "VARISTOR 0603", Capacitance=0.5pF, Case/Package=0603, Case Code (Metric)=1608, Clamping Voltage=20V, Current Rating=50nA, Manufacturer=Bourns, Max Operating Temperature=85°C, Max Voltage Rating (DC)=5V, Min Operating Temperature=-40°C, Package Quantity=1, Supplier Part Number 1=CG0603MLC-05ETR-ND, Voltage Rating (AC)=8V, Case Code (Imperial)=0603, ComponentLink1Description=http://www.jameco.com/Jameco/Products/ProdDS/1163231.pdf?src-supplier=Jameco, ComponentLink1URL=http://www.jameco.com/Jameco/Products/ProdDS/1163231.pdf?src-supplier=Jameco, ComponentLink2Description=http://www.farnell.com/datasheets/2360367.pdf?src-supplier=Element14, ComponentLink2URL=http://www.farnell.com/datasheets/2360367.pdf?src-supplier=Element14, ComponentLink3Description=http://www.bourns.com/docs/Product-Datasheets/MLC.pdf?src-supplier=Avnet, ComponentLink3URL=http://www.bourns.com/docs/Product-Datasheets/MLC.pdf?src-supplier=Avnet, ComponentLink4Description=http://www.bourns.com/docs/Product-Datasheets/MLC.pdf?src-supplier=Avnet+Europe, ComponentLink4URL=http://www.bourns.com/docs/Product-Datasheets/MLC.pdf?src-supplier=Avnet+Europe, ComponentLink5Description=https://www.bourns.com/docs/Product-Datasheets/MLC.pdf?src-supplier=Digi-Key, ComponentLink5URL=https://www.bourns.com/docs/Product-Datasheets/MLC.pdf?src-supplier=Digi-Key, Contact Plating=Tin, Depth=0.8mm, Element Configuration=Single, Leakage Current=50nA, Length=1.6mm, Manufacturer Part Number=CG0603MLC-05E, Number of Channels=1, Number of Circuits=1, Number of Pins=2, Operating Supply Voltage=5V, Packaging="Tape and Reel", Pricing 1="5000=0.0884, 10000=0.0806, 25000=0.0754, 50000=0.0692 (USD)", Radiation Hardening=No, REACH SVHC="No SVHC", RoHS Compliant=Yes, Series=MLC, Stock 1=70000, Supplier 1=Digi-Key, Termination=SMD/SMT, Thickness=0.8mm, Turn-On Delay Time=1ns, Voltage=5V, Voltage Rating (DC)=5V, Width=0.8mm, Working Voltage=5V

## Via types
v1: diameter 0.6, hole 0.3, L1 to L2, 100 vias

## Nets (pads, with @x,y where several pads share a name; then routed paths per layer and width w, separated by ;. In a path a pad name is that pad's centre, name@x,y a point inside that pad or via, vN(x,y) a via of type N, cw(c..) or ccw(c..) an arc to the next point about the centre after c; other vN are vias at no path point)
16U2_16MHZ_XTAL1: C9.2 R9.2 U2.2 Y2.2 | length 12
  L1 w0.3: U2.2@19.6,28 20.525,28 23.15,30.625 24.7,30.625 25.3,31.225 Y2.2@25.3,32.85 25.3,35 C9.2@26.15,35.85
16U2_16MHZ_XTAL2: C10.2 R9.1 U2.1 Y2.1 | length 9.5
  L1 w0.3: U2.1@19.6,27.2 21.4,27.2 R9.1@22.025,27.825 25.175,27.825 Y2.1@25.3,27.95 25.3,25.7 C10.2@24.45,24.85
16U2_BUF_RESETn: C31.2 R23.2 U5.1 U5.2 | length 6.4
  L1 w0.3: R23.2@3.1,25.5 3.15,25.45 U5.1@4.7,25.45 U5.2@5.65,25.45 5.65,24.6 6,24.25 C31.2@8.5,24.25
16U2_HDR_RESETn: J6.5 JP3.3 | length 7.4
  L1 w0.3: J6.5@7.62,38.608 11.358,38.608 12.27,39.52 JP3.3@14.6,39.52
16U2_MISO: J6.1 U2.17 | length 13.2
  L1 w0.3: J6.1@2.54,38.608 2.54,37.41 3.15,36.8 6.317,36.8 6.709,36.408 7.55,36.408 7.55,34.598 8.623,33.525 11.1,33.525 11.1,32.9 U2.17@11.2,32.8
16U2_MOSI: J6.4 U2.16 | length 15.2
  L1 w0.3: J6.4@5.08,41.148 3.88,39.948 3.88,37.938 4.518,37.3 6.524,37.3 6.916,36.908 7.792,36.908 8.05,36.65 8.05,34.805 8.83,34.025 11.72,34.025 11.925,34.23 U2.16@12.57,34.23
16U2_PB4: JP2.1 JP3.2 U2.18 | length 22.6
  L1 w0.3: JP2.1@6.14,34.99 6.98,34.15 7.291,34.15 9.266,32.175 ; v1@9.625,32.175 11.2,32.175 U2.18@11.2,32 ; v1(9.625,37.725) 13.519,37.725 13.924,38.13 15.38,38.13 16.3,39.05 16.3,40.36 JP3.2@14.6,42.06
  L2 w0.3: v1(9.625,32.15) v1(9.625,37.725)
16U2_PB5: JP2.3 U2.19 | length 9.2
  L1 w0.3: JP2.3@3.6,34.99 4.94,33.65 6.93,33.65 9.205,31.375 11.025,31.375 U2.19@11.2,31.2
16U2_PB6: JP2.2 U2.20 | length 5.9
  L1 w0.3: JP2.2@6.14,32.45 6.44,32.15 7.475,32.15 9.225,30.4 U2.20@11.2,30.4
16U2_PB7: JP2.4 U2.21 | length 8.8
  L1 w0.3: JP2.4@3.6,32.45 4.975,31.075 7.843,31.075 9.318,29.6 U2.21@11.2,29.6
16U2_RESETn: JP3.4 R4.1 U2.24 U5.4 | length 19.5
  L1 w0.3: U5.4@6.725,28.025 7.35,28.025 7.575,28.25 R4.1@9.15,28.25 9.15,27.45 9.4,27.2 U2.24@11.2,27.2 ; v1(10.575,36.8) 10.755,36.98 JP3.4@14.6,36.98
  L2 w0.3: v1(9.6,27.3) 9.6,31.206 10.275,31.881 10.275,36.5 v1(10.575,36.8)
16U2_RX_LED: D4.1 U2.10 | length 8.8
  L1 w0.3: U2.10@17.4,34.2 17.4,35.1 20.7,38.4 D4.1@23.9,38.4
16U2_RXD: R11.1 U2.8 | length 47.6
  L1 w0.3: U2.8@19.6,32.8 19.6,35.2 21.3,36.9 27.825,36.9 30.525,39.6 v1(33.2,39.6) v1@33.3,39.6 ; v1(53.1,39.6) 53.1,43.826 54.599,45.325 R11.1@58.05,45.325
  L2 w0.3: v1(33.2,39.6) v1(53.1,39.6)
16U2_SCLK: J6.3 R5.2 | length 6.8
  L1 w0.3: J6.3@5.08,38.608 5.08,37.8 6.731,37.8 7.123,37.408 7.999,37.408 8.55,36.857 8.55,35.8 R5.2@9.325,35.025
16U2_SCLK_R: R5.1 U2.15 | length 3.5
  L1 w0.3: R5.1@11.225,35.025 11.7,35.025 12.175,35.5 13.1,35.5 13.4,35.2 U2.15@13.4,34.2
16U2_TX_LED: D3.1 U2.11 | length 10.7
  L1 w0.3: U2.11@16.6,34.2 16.6,35.7 21.15,40.25 D3.1@23.9,40.25
16U2_TXD: R10.1 U2.9 | length 47.9
  L1 w0.3: U2.9@18.15,34.25 18.15,34.85 20.8,37.5 27,37.5 30.5,41 32.5,41 v1(33.5,42) ; v1(56.1,42) 58,42 60.65,44.65 R10.1@60.65,45.375
  L2 w0.3: v1(33.5,42) v1(56.1,42)
16U2PROG_328P_RESETn: JP1.2 R1.1 U2.13 | length 57
  L1 w0.3: U2.13@15.125,34.2 15.175,34.15 15.175,35.612 15.95,36.387 15.95,37.225 R1.1@17.5,38.775 18.375,38.775 20.75,41.15 v1(22.325,41.15) ; v1(56.3,40.8) 58.1,40.8 61.66,44.36 JP1.2@66.2,44.36
  L2 w0.3: v1(22.325,41.15) 22.675,40.8 v1(56.3,40.8)
328P_16MHZ_XTAL1: C27.2 R16.1 U1.9 Y1.1 | length 10.3
  L1 w0.3: U1.9@41.745,20.193 41.745,21.47 42.25,21.975 R16.1@42.25,23.15 42.25,23.325 C27.2@44.475,25.55 45.925,27 Y1.1@45.925,28.8
328P_16MHZ_XTAL2: C25.2 R16.2 U1.10 Y1.2 | length 10.2
  L1 w0.3: U1.10@39.205,20.193 40.35,21.338 R16.2@40.35,23.15 40.35,23.175 42.05,24.875 42.05,25.6 41.025,26.625 Y1.2@41.025,28.8
328P_AUTORESETn: C11.1 R18.1 U6.1 | length 36.1
  L1 w0.3: v1(62.1,45.225) C11.1@63.525,45.225 ; v1(66.8,15.875) 67.15,16.225 67.15,16.975 R18.1@67.15,19
  L2 w0.3: v1(62.1,45.225) 61.99,45.115 61.99,32.91 66.25,28.65 66.25,16.425 v1(66.8,15.875)
328P_BUF_RESETn: C32.1 R24.2 U6.2 | length 6.3
  L1 w0.3: R24.2@64.725,22.675 64.725,20.7 65.8,19.625 65.8,18.25 66.2,17.85 U6.2@66.2,16.975